# Altium PCB JTAG批量下载板-V1.6-ASCII.PcbDoc (part 13 of 14) (continued)
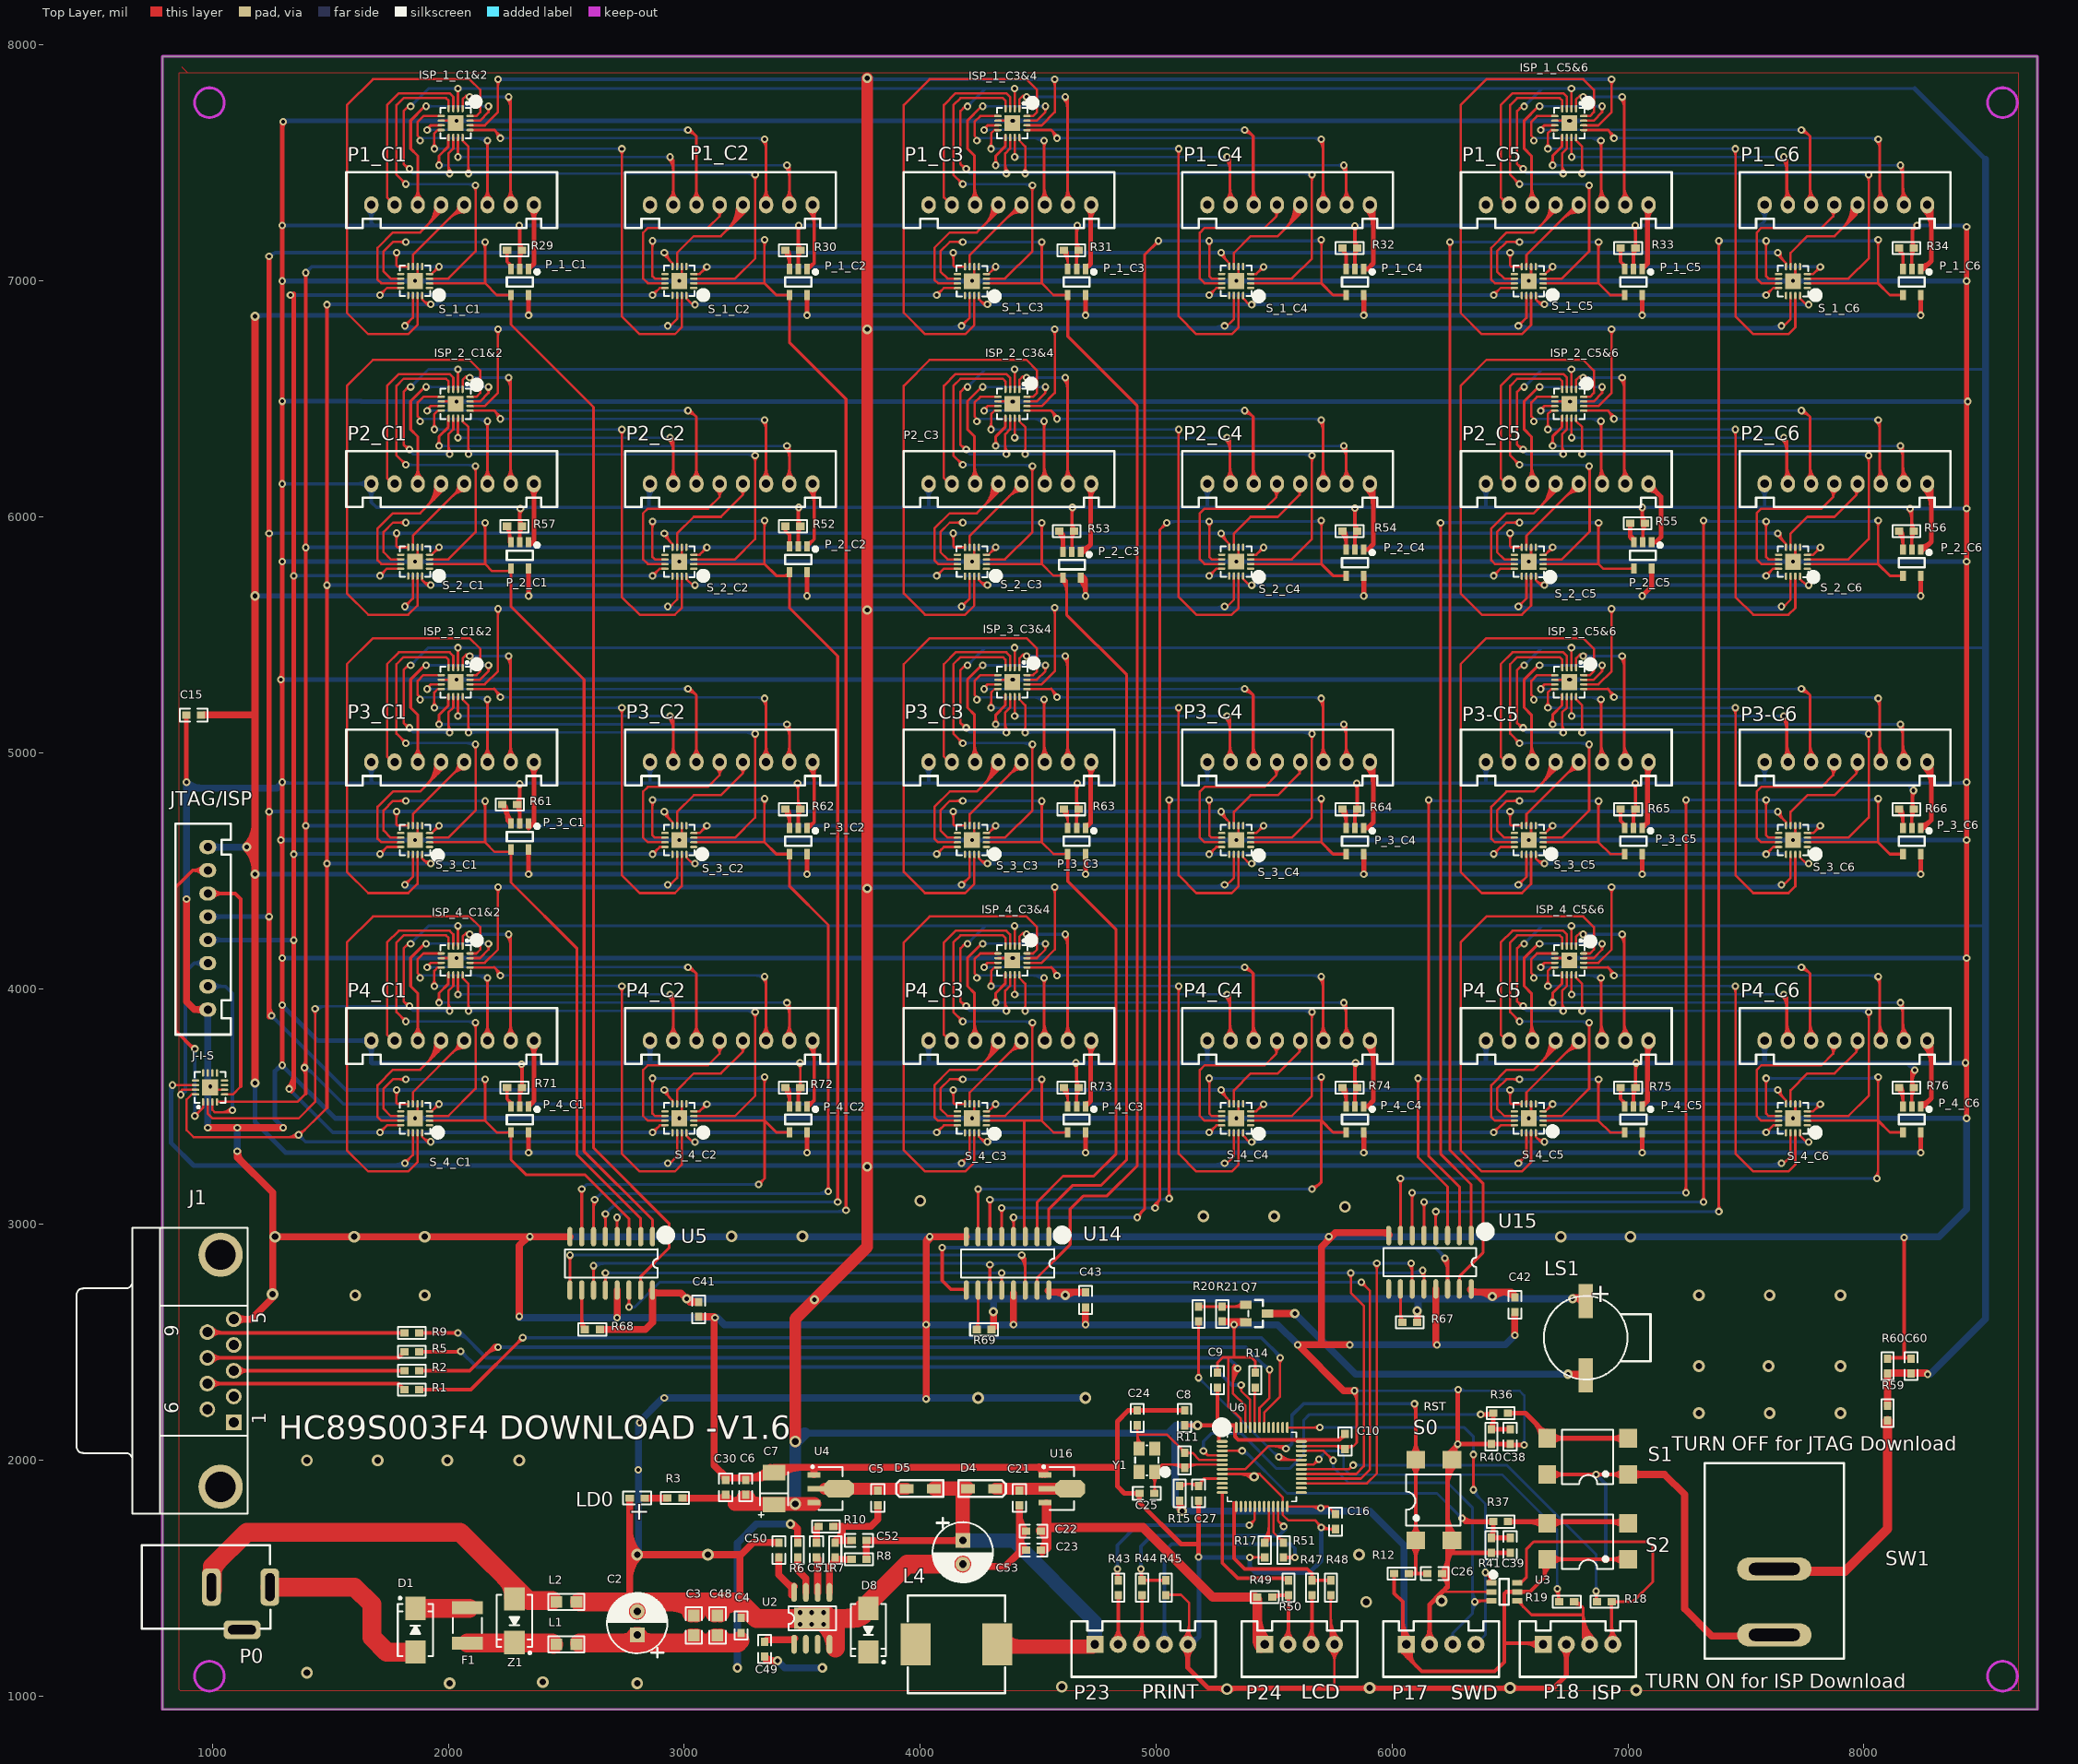
[diagram p0: Top Layer view]
## Nets (pads, with @x,y where several pads share a name; then routed paths per layer and width w, separated by ;. In a path a pad name is that pad's centre, name@x,y a point inside that pad or via, vN(x,y) a via of type N, cw(c..) or ccw(c..) an arc to the next point about the centre after c; other vN are vias at no path point) (continued)
  Bottom Layer w10: v1(6680,7490.55) v1(8155,7490.55) ; v1@6687.78,7482.77 cw(c6706.56,7463.99) 6706.56,7490.55 cw(c6706.56,7517.11) v1@6687.78,7498.33 ; v1@8147.22,7482.77 ccw(c8128.44,7463.99) 8128.44,7490.55 ccw(c8128.44,7517.11) v1@8147.22,7498.33
TDO_1_C6_1: ISP_1_C5&6.8 S_1_C6.15 | length 2246.3
  Top Layer w10: v1@6652.22,7568.33 ccw(c6633.44,7587.11) 6660,7587.11 ccw(c6686.56,7587.11) v1@6667.78,7568.33 ; v1(6660,7560.55) 6660,7625.55 6674.45,7640 ISP_1_C5&6.8@6689.45,7640 ; v1@7447.22,7552.77 cw(c7428.44,7533.99) 7455,7533.99 cw(c7481.56,7533.99) v1@7462.78,7552.77 ; v1(7455,7560.55) 7455,6850.55 7530.55,6775 7680,6775 7708.82,6803.82 S_1_C6.15@7708.82,6939.06
  Bottom Layer w10: v1(6660,7560.55) v1(7455,7560.55) ; v1@6667.78,7552.77 cw(c6686.56,7533.99) 6686.56,7560.55 cw(c6686.56,7587.11) v1@6667.78,7568.33 ; 7428.44,7560.55 cw(c7428.44,7533.99) 7447.22,7552.77 ccw(c7428.44,7533.99) 7428.44,7560.55 ; 7428.44,7560.55 ccw(c7428.44,7587.11) 7447.22,7568.33 cw(c7428.44,7587.11) 7428.44,7560.55
TDO_2_C1: ISP_2_C1&2.1 P2_C1.2 | length 1079.4
  Top Layer w10: ISP_2_C1&2.1@2060,6540.55 2060,6580.55 2075,6595.55 v1@2100,6595.55
  Top Layer w12: P2_C1.2@2246.81,6162.97 ccw(c2205.84,6203.94) 2263.78,6203.94 ccw(c2321.72,6203.94) P2_C1.2@2280.75,6162.97 ; v1(2255,6590) 2263.78,6581.77 P2_C1.2@2263.78,6132.83 ; v1@2247.93,6582.93 cw(c2209.66,6544.66) 2263.78,6544.66 ccw(c2209.66,6544.66) v1@2247.93,6582.93 ; v1@2256.41,6591.41 cw(c2238.63,6573.63) 2263.78,6573.63 ccw(c2238.63,6573.63) v1@2256.41,6591.41
  Bottom Layer w12: v1(2090,6590) v1(2255,6590) ; 2114.14,6590 cw(c2114.14,6614.14) 2097.07,6597.07 ccw(c2114.14,6614.14) 2114.14,6590 ; 2114.14,6590 ccw(c2114.14,6565.86) 2097.07,6582.93 cw(c2114.14,6565.86) 2114.14,6590 ; 2230.86,6590 cw(c2230.86,6565.86) 2247.93,6582.93 ccw(c2230.86,6565.86) 2230.86,6590 ; 2230.86,6590 ccw(c2230.86,6614.14) 2247.93,6597.07 cw(c2230.86,6614.14) 2230.86,6590
TDO_2_C1_1: ISP_2_C1&2.16 S_2_C1.15 | length 2132.5
  Top Layer w10: S_2_C1.15@1868.82,5749.06 1868.82,5623.82 1830,5585 1660,5585 1570,5675 1570,6555.55 1680,6665.55 2090,6665.55 2135,6620.55 2135,6525.55 2118.5,6509.06 ISP_2_C1&2.16@2091.5,6509.06
TDO_2_C2: ISP_2_C1&2.9 P2_C2.2 | length 2106.8
  Top Layer w12: v1(1960,6300.55) 1960,6340.55 2000,6380.55 ISP_2_C1&2.9@2000,6425.55 ; P2_C2.2@3427.91,6162.97 ccw(c3386.94,6203.94) 3444.88,6203.94 ccw(c3502.82,6203.94) P2_C2.2@3461.85,6162.97 ; v1@3427.93,6293.48 cw(c3387,6252.55) 3444.88,6252.55 ; v1(3435,6300.55) 3444.88,6290.67 P2_C2.2@3444.88,6132.83 ; v1@3436.41,6301.97 cw(c3415.97,6281.52) 3444.88,6281.52 ; 1960,6324.69 cw(c1935.86,6324.69) 1952.93,6307.62 ccw(c1935.86,6324.69) 1960,6324.69 ; 1960,6324.69 ccw(c1984.14,6324.69) 1967.07,6307.62 cw(c1984.14,6324.69) 1960,6324.69
  Bottom Layer w10: v1(1960,6300.55) v1(3435,6300.55) ; v1@1967.78,6292.77 cw(c1986.56,6273.99) 1986.56,6300.55 cw(c1986.56,6327.11) v1@1967.78,6308.33 ; v1@3427.22,6292.77 ccw(c3408.44,6273.99) 3408.44,6300.55 ccw(c3408.44,6327.11) v1@3427.22,6308.33
TDO_2_C2_1: ISP_2_C1&2.8 S_2_C2.15 | length 2856.3
  Top Layer w10: v1@1932.22,6378.33 ccw(c1913.44,6397.11) 1940,6397.11 ccw(c1966.56,6397.11) v1@1947.78,6378.33 ; v1(1940,6370.55) 1940,6435.55 1954.45,6450 ISP_2_C1&2.8@1969.45,6450 ; v1@2727.22,6362.77 cw(c2708.44,6343.99) 2735,6343.99 cw(c2761.56,6343.99) v1@2742.78,6362.77 ; 2735,5715 2735,6325 ; v1(2735,6370.55) 2735,5660.55 2810.55,5585 2960,5585 2988.82,5613.82 S_2_C2.15@2988.82,5749.06
  Bottom Layer w10: v1(1940,6370.55) v1(2735,6370.55) ; v1@1947.78,6362.77 cw(c1966.56,6343.99) 1966.56,6370.55 cw(c1966.56,6397.11) v1@1947.78,6378.33 ; 2708.44,6370.55 cw(c2708.44,6343.99) 2727.22,6362.77 ccw(c2708.44,6343.99) 2708.44,6370.55 ; 2708.44,6370.55 ccw(c2708.44,6397.11) 2727.22,6378.33 cw(c2708.44,6397.11) 2708.44,6370.55
TDO_2_C3: ISP_2_C3&4.1 P2_C3.2 | length 1108
  Top Layer w10: ISP_2_C3&4.1@4420,6540.55 4420,6580.55 4435,6595.55 v1@4460,6595.55
  Top Layer w12: P2_C3.2@4609.01,6162.97 ccw(c4573.36,6198.62) 4623.78,6198.62 ; v1(4615,6590) 4623.78,6581.77 P2_C3.2@4623.78,6132.83 ; 4623.78,6180.29 ccw(c4660.28,6180.29) P2_C3.2@4634.47,6154.49 ; 4623.78,6209.26 ccw(c4689.25,6209.26) P2_C3.2@4642.95,6162.97 ; v1@4607.93,6582.93 cw(c4569.66,6544.66) 4623.78,6544.66 ccw(c4569.66,6544.66) v1@4607.93,6582.93 ; v1@4616.41,6591.41 cw(c4598.63,6573.63) 4623.78,6573.63 ccw(c4598.63,6573.63) v1@4616.41,6591.41
  Bottom Layer w12: v1(4450,6590) v1(4615,6590) ; 4474.14,6590 cw(c4474.14,6614.14) 4457.07,6597.07 ccw(c4474.14,6614.14) 4474.14,6590 ; 4474.14,6590 ccw(c4474.14,6565.86) 4457.07,6582.93 cw(c4474.14,6565.86) 4474.14,6590 ; 4590.86,6590 cw(c4590.86,6565.86) 4607.93,6582.93 ccw(c4590.86,6565.86) 4590.86,6590 ; 4590.86,6590 ccw(c4590.86,6614.14) 4607.93,6597.07 cw(c4590.86,6614.14) 4590.86,6590
TDO_2_C3_1: ISP_2_C3&4.16 S_2_C3.15 | length 2132.5
  Top Layer w10: S_2_C3.15@4228.82,5749.06 4228.82,5623.82 4190,5585 4020,5585 3930,5675 3930,6555.55 4040,6665.55 4450,6665.55 4495,6620.55 4495,6525.55 4478.5,6509.06 ISP_2_C3&4.16@4451.5,6509.06
TDO_2_C4: ISP_2_C3&4.9 P2_C4.2 | length 2135.5
  Top Layer w12: v1(4320,6300.55) 4320,6340.55 4360,6380.55 ISP_2_C3&4.9@4360,6425.55 ; v1@5787.93,6293.48 cw(c5747,6252.55) 5804.88,6252.55 ; P2_C4.2@5790.12,6162.97 ccw(c5754.47,6198.62) 5804.88,6198.62 ; v1(5795,6300.55) 5804.88,6290.67 P2_C4.2@5804.88,6132.83 ; v1@5796.41,6301.97 cw(c5775.97,6281.52) 5804.88,6281.52 ; 5804.88,6180.29 ccw(c5841.38,6180.29) P2_C4.2@5815.57,6154.49 ; 5804.88,6209.26 ccw(c5870.35,6209.26) P2_C4.2@5824.06,6162.97 ; 4320,6324.69 cw(c4295.86,6324.69) 4312.93,6307.62 ccw(c4295.86,6324.69) 4320,6324.69 ; 4320,6324.69 ccw(c4344.14,6324.69) 4327.07,6307.62 cw(c4344.14,6324.69) 4320,6324.69
  Bottom Layer w10: v1(4320,6300.55) v1(5795,6300.55) ; v1@4327.78,6292.77 cw(c4346.56,6273.99) 4346.56,6300.55 cw(c4346.56,6327.11) v1@4327.78,6308.33 ; v1@5787.22,6292.77 ccw(c5768.44,6273.99) 5768.44,6300.55 ccw(c5768.44,6327.11) v1@5787.22,6308.33
TDO_2_C4_1: ISP_2_C3&4.8 S_2_C4.15 | length 2246.3
  Top Layer w10: v1@4292.22,6378.33 ccw(c4273.44,6397.11) 4300,6397.11 ccw(c4326.56,6397.11) v1@4307.78,6378.33 ; v1(4300,6370.55) 4300,6435.55 4314.45,6450 ISP_2_C3&4.8@4329.45,6450 ; v1@5087.22,6362.77 cw(c5068.44,6343.99) 5095,6343.99 cw(c5121.56,6343.99) v1@5102.78,6362.77 ; v1(5095,6370.55) 5095,5660.55 5170.55,5585 5320,5585 5348.82,5613.82 S_2_C4.15@5348.82,5749.06
  Bottom Layer w10: v1(4300,6370.55) v1(5095,6370.55) ; v1@4307.78,6362.77 cw(c4326.56,6343.99) 4326.56,6370.55 cw(c4326.56,6397.11) v1@4307.78,6378.33 ; 5068.44,6370.55 cw(c5068.44,6343.99) 5087.22,6362.77 ccw(c5068.44,6343.99) 5068.44,6370.55 ; 5068.44,6370.55 ccw(c5068.44,6397.11) 5087.22,6378.33 cw(c5068.44,6397.11) 5068.44,6370.55
TDO_2_C5: ISP_2_C5&6.1 P2_C5.2 | length 1114
  Top Layer w10: ISP_2_C5&6.1@6780,6540.55 6780,6580.55 6795,6595.55 v1@6820,6595.55
  Top Layer w12: P2_C5.2@6971.22,6162.97 ccw(c6940.89,6193.3) 6983.78,6193.3 ; v1(6975,6590) 6983.78,6581.77 P2_C5.2@6983.78,6132.83 ; 6983.78,6185.62 ccw(c7027.8,6185.62) P2_C5.2@6996.67,6154.49 ; 6983.78,6214.59 ccw(c7056.77,6214.59) P2_C5.2@7005.16,6162.97 ; v1@6967.93,6582.93 cw(c6929.66,6544.66) 6983.78,6544.66 ccw(c6929.66,6544.66) v1@6967.93,6582.93 ; v1@6976.41,6591.41 cw(c6958.63,6573.63) 6983.78,6573.63 ccw(c6958.63,6573.63) v1@6976.41,6591.41
  Bottom Layer w12: v1(6810,6590) v1(6975,6590) ; 6834.14,6590 cw(c6834.14,6614.14) 6817.07,6597.07 ccw(c6834.14,6614.14) 6834.14,6590 ; 6834.14,6590 ccw(c6834.14,6565.86) 6817.07,6582.93 cw(c6834.14,6565.86) 6834.14,6590 ; 6950.86,6590 cw(c6950.86,6565.86) 6967.93,6582.93 ccw(c6950.86,6565.86) 6950.86,6590 ; 6950.86,6590 ccw(c6950.86,6614.14) 6967.93,6597.07 cw(c6950.86,6614.14) 6950.86,6590
TDO_2_C5_1: ISP_2_C5&6.16 S_2_C5.15 | length 2132.5
  Top Layer w10: S_2_C5.15@6588.82,5749.06 6588.82,5623.82 6550,5585 6380,5585 6290,5675 6290,6555.55 6400,6665.55 6810,6665.55 6855,6620.55 6855,6525.55 6838.5,6509.06 ISP_2_C5&6.16@6811.5,6509.06
TDO_2_C6: ISP_2_C5&6.9 P2_C6.2 | length 2141.4
  Top Layer w12: v1(6680,6300.55) 6680,6340.55 6720,6380.55 ISP_2_C5&6.9@6720,6425.55 ; v1@8147.93,6293.48 cw(c8107,6252.55) 8164.88,6252.55 ; P2_C6.2@8152.32,6162.97 ccw(c8121.99,6193.3) 8164.88,6193.3 ; v1(8155,6300.55) 8164.88,6290.67 P2_C6.2@8164.88,6132.83 ; v1@8156.41,6301.97 cw(c8135.97,6281.52) 8164.88,6281.52 ; 8164.88,6185.62 ccw(c8208.91,6185.62) P2_C6.2@8177.78,6154.49 ; 8164.88,6214.59 ccw(c8237.88,6214.59) P2_C6.2@8186.26,6162.97 ; 6680,6324.69 cw(c6655.86,6324.69) 6672.93,6307.62 ccw(c6655.86,6324.69) 6680,6324.69 ; 6680,6324.69 ccw(c6704.14,6324.69) 6687.07,6307.62 cw(c6704.14,6324.69) 6680,6324.69
  Bottom Layer w10: v1(6680,6300.55) v1(8155,6300.55) ; v1@6687.78,6292.77 cw(c6706.56,6273.99) 6706.56,6300.55 cw(c6706.56,6327.11) v1@6687.78,6308.33 ; v1@8147.22,6292.77 ccw(c8128.44,6273.99) 8128.44,6300.55 ccw(c8128.44,6327.11) v1@8147.22,6308.33
TDO_2_C6_1: ISP_2_C5&6.8 S_2_C6.15 | length 2246.3
  Top Layer w10: v1@6652.22,6378.33 ccw(c6633.44,6397.11) 6660,6397.11 ccw(c6686.56,6397.11) v1@6667.78,6378.33 ; v1(6660,6370.55) 6660,6435.55 6674.45,6450 ISP_2_C5&6.8@6689.45,6450 ; v1@7447.22,6362.77 cw(c7428.44,6343.99) 7455,6343.99 cw(c7481.56,6343.99) v1@7462.78,6362.77 ; v1(7455,6370.55) 7455,5660.55 7530.55,5585 7680,5585 7708.82,5613.82 S_2_C6.15@7708.82,5749.06
  Bottom Layer w10: v1(6660,6370.55) v1(7455,6370.55) ; v1@6667.78,6362.77 cw(c6686.56,6343.99) 6686.56,6370.55 cw(c6686.56,6397.11) v1@6667.78,6378.33 ; 7428.44,6370.55 cw(c7428.44,6343.99) 7447.22,6362.77 ccw(c7428.44,6343.99) 7428.44,6370.55 ; 7428.44,6370.55 ccw(c7428.44,6397.11) 7447.22,6378.33 cw(c7428.44,6397.11) 7428.44,6370.55
TDO_3_C1: ISP_3_C1&2.1 P3_C1.2 | length 1079.4
  Top Layer w10: ISP_3_C1&2.1@2060,5360.55 2060,5400.55 2075,5415.55 v1@2100,5415.55
  Top Layer w12: P3_C1.2@2246.81,4983.6 ccw(c2205.84,5024.57) 2263.78,5024.57 ccw(c2321.72,5024.57) P3_C1.2@2280.75,4983.6 ; v1(2255,5410) 2263.78,5401.77 P3_C1.2@2263.78,4952.83 ; v1@2247.93,5402.93 cw(c2209.66,5364.66) 2263.78,5364.66 ccw(c2209.66,5364.66) v1@2247.93,5402.93 ; v1@2256.41,5411.41 cw(c2238.63,5393.63) 2263.78,5393.63 ccw(c2238.63,5393.63) v1@2256.41,5411.41
  Bottom Layer w12: v1(2090,5410) v1(2255,5410) ; 2114.14,5410 cw(c2114.14,5434.14) 2097.07,5417.07 ccw(c2114.14,5434.14) 2114.14,5410 ; 2114.14,5410 ccw(c2114.14,5385.86) 2097.07,5402.93 cw(c2114.14,5385.86) 2114.14,5410 ; 2230.86,5410 cw(c2230.86,5385.86) 2247.93,5402.93 ccw(c2230.86,5385.86) 2230.86,5410 ; 2230.86,5410 ccw(c2230.86,5434.14) 2247.93,5417.07 cw(c2230.86,5434.14) 2230.86,5410
TDO_3_C1_1: ISP_3_C1&2.16 S_3_C1.15 | length 2132.5
  Top Layer w10: S_3_C1.15@1868.82,4569.06 1868.82,4443.82 1830,4405 1660,4405 1570,4495 1570,5375.55 1680,5485.55 2090,5485.55 2135,5440.55 2135,5345.55 2118.5,5329.06 ISP_3_C1&2.16@2091.5,5329.06
TDO_3_C2: ISP_3_C1&2.9 P3_C2.2 | length 2106.8
  Top Layer w12: v1(1960,5120.55) 1960,5160.55 2000,5200.55 ISP_3_C1&2.9@2000,5245.55 ; P3_C2.2@3427.91,4983.6 ccw(c3386.94,5024.57) 3444.88,5024.57 ccw(c3502.82,5024.57) P3_C2.2@3461.85,4983.6 ; v1@3427.93,5113.48 cw(c3387,5072.55) 3444.88,5072.55 ; v1(3435,5120.55) 3444.88,5110.67 P3_C2.2@3444.88,4952.83 ; v1@3436.41,5121.97 cw(c3415.97,5101.52) 3444.88,5101.52 ; 1960,5144.69 cw(c1935.86,5144.69) 1952.93,5127.62 ccw(c1935.86,5144.69) 1960,5144.69 ; 1960,5144.69 ccw(c1984.14,5144.69) 1967.07,5127.62 cw(c1984.14,5144.69) 1960,5144.69
  Bottom Layer w10: v1(1960,5120.55) v1(3435,5120.55) ; v1@1967.78,5112.77 cw(c1986.56,5093.99) 1986.56,5120.55 cw(c1986.56,5147.11) v1@1967.78,5128.33 ; v1@3427.22,5112.77 ccw(c3408.44,5093.99) 3408.44,5120.55 ccw(c3408.44,5147.11) v1@3427.22,5128.33
TDO_3_C2_1: ISP_3_C1&2.8 S_3_C2.15 | length 2246.3
  Top Layer w10: v1@1932.22,5198.33 ccw(c1913.44,5217.11) 1940,5217.11 ccw(c1966.56,5217.11) v1@1947.78,5198.33 ; v1(1940,5190.55) 1940,5255.55 1954.45,5270 ISP_3_C1&2.8@1969.45,5270 ; v1@2727.22,5182.77 cw(c2708.44,5163.99) 2735,5163.99 cw(c2761.56,5163.99) v1@2742.78,5182.77 ; v1(2735,5190.55) 2735,4480.55 2810.55,4405 2960,4405 2988.82,4433.82 S_3_C2.15@2988.82,4569.06
  Bottom Layer w10: v1(1940,5190.55) v1(2735,5190.55) ; v1@1947.78,5182.77 cw(c1966.56,5163.99) 1966.56,5190.55 cw(c1966.56,5217.11) v1@1947.78,5198.33 ; 2708.44,5190.55 cw(c2708.44,5163.99) 2727.22,5182.77 ccw(c2708.44,5163.99) 2708.44,5190.55 ; 2708.44,5190.55 ccw(c2708.44,5217.11) 2727.22,5198.33 cw(c2708.44,5217.11) 2708.44,5190.55
TDO_3_C3: ISP_3_C3&4.1 P3_C3.2 | length 1108
  Top Layer w10: ISP_3_C3&4.1@4420,5360.55 4420,5400.55 4435,5415.55 v1@4460,5415.55
  Top Layer w12: P3_C3.2@4609.01,4983.6 ccw(c4573.36,5019.25) 4623.78,5019.25 ; v1(4615,5410) 4623.78,5401.77 P3_C3.2@4623.78,4952.83 ; 4623.78,5000.92 ccw(c4660.28,5000.92) P3_C3.2@4634.47,4975.12 ; 4623.78,5029.89 ccw(c4689.25,5029.89) P3_C3.2@4642.95,4983.6 ; v1@4607.93,5402.93 cw(c4569.66,5364.66) 4623.78,5364.66 ccw(c4569.66,5364.66) v1@4607.93,5402.93 ; v1@4616.41,5411.41 cw(c4598.63,5393.63) 4623.78,5393.63 ccw(c4598.63,5393.63) v1@4616.41,5411.41
  Bottom Layer w12: v1(4450,5410) v1(4615,5410) ; 4474.14,5410 cw(c4474.14,5434.14) 4457.07,5417.07 ccw(c4474.14,5434.14) 4474.14,5410 ; 4474.14,5410 ccw(c4474.14,5385.86) 4457.07,5402.93 cw(c4474.14,5385.86) 4474.14,5410 ; 4590.86,5410 cw(c4590.86,5385.86) 4607.93,5402.93 ccw(c4590.86,5385.86) 4590.86,5410 ; 4590.86,5410 ccw(c4590.86,5434.14) 4607.93,5417.07 cw(c4590.86,5434.14) 4590.86,5410
TDO_3_C3_1: ISP_3_C3&4.16 S_3_C3.15 | length 2132.5
  Top Layer w10: S_3_C3.15@4228.82,4569.06 4228.82,4443.82 4190,4405 4020,4405 3930,4495 3930,5375.55 4040,5485.55 4450,5485.55 4495,5440.55 4495,5345.55 4478.5,5329.06 ISP_3_C3&4.16@4451.5,5329.06
TDO_3_C4: ISP_3_C3&4.9 P3_C4.2 | length 2135.5
  Top Layer w12: v1(4320,5120.55) 4320,5160.55 4360,5200.55 ISP_3_C3&4.9@4360,5245.55 ; v1@5787.93,5113.48 cw(c5747,5072.55) 5804.88,5072.55 ; P3_C4.2@5790.12,4983.6 ccw(c5754.47,5019.25) 5804.88,5019.25 ; v1(5795,5120.55) 5804.88,5110.67 P3_C4.2@5804.88,4952.83 ; v1@5796.41,5121.97 cw(c5775.97,5101.52) 5804.88,5101.52 ; 5804.88,5000.92 ccw(c5841.38,5000.92) P3_C4.2@5815.57,4975.12 ; 5804.88,5029.89 ccw(c5870.35,5029.89) P3_C4.2@5824.06,4983.6 ; 4320,5144.69 cw(c4295.86,5144.69) 4312.93,5127.62 ccw(c4295.86,5144.69) 4320,5144.69 ; 4320,5144.69 ccw(c4344.14,5144.69) 4327.07,5127.62 cw(c4344.14,5144.69) 4320,5144.69
  Bottom Layer w10: v1(4320,5120.55) v1(5795,5120.55) ; v1@4327.78,5112.77 cw(c4346.56,5093.99) 4346.56,5120.55 cw(c4346.56,5147.11) v1@4327.78,5128.33 ; v1@5787.22,5112.77 ccw(c5768.44,5093.99) 5768.44,5120.55 ccw(c5768.44,5147.11) v1@5787.22,5128.33
TDO_3_C4_1: ISP_3_C3&4.8 S_3_C4.15 | length 2246.3
  Top Layer w10: v1@4292.22,5198.33 ccw(c4273.44,5217.11) 4300,5217.11 ccw(c4326.56,5217.11) v1@4307.78,5198.33 ; v1(4300,5190.55) 4300,5255.55 4314.45,5270 ISP_3_C3&4.8@4329.45,5270 ; v1@5087.22,5182.77 cw(c5068.44,5163.99) 5095,5163.99 cw(c5121.56,5163.99) v1@5102.78,5182.77 ; v1(5095,5190.55) 5095,4480.55 5170.55,4405 5320,4405 5348.82,4433.82 S_3_C4.15@5348.82,4569.06
  Bottom Layer w10: v1(4300,5190.55) v1(5095,5190.55) ; v1@4307.78,5182.77 cw(c4326.56,5163.99) 4326.56,5190.55 cw(c4326.56,5217.11) v1@4307.78,5198.33 ; 5068.44,5190.55 cw(c5068.44,5163.99) 5087.22,5182.77 ccw(c5068.44,5163.99) 5068.44,5190.55 ; 5068.44,5190.55 ccw(c5068.44,5217.11) 5087.22,5198.33 cw(c5068.44,5217.11) 5068.44,5190.55
TDO_3_C5: ISP_3_C5&6.1 P3-C5.2 | length 1114
  Top Layer w10: ISP_3_C5&6.1@6780,5360.55 6780,5400.55 6795,5415.55 v1@6820,5415.55
  Top Layer w12: P3-C5.2@6971.22,4983.6 ccw(c6940.89,5013.93) 6983.78,5013.93 ; v1(6975,5410) 6983.78,5401.77 P3-C5.2@6983.78,4952.83 ; 6983.78,5006.25 ccw(c7027.8,5006.25) P3-C5.2@6996.67,4975.12 ; 6983.78,5035.22 ccw(c7056.77,5035.22) P3-C5.2@7005.16,4983.6 ; v1@6967.93,5402.93 cw(c6929.66,5364.66) 6983.78,5364.66 ccw(c6929.66,5364.66) v1@6967.93,5402.93 ; v1@6976.41,5411.41 cw(c6958.63,5393.63) 6983.78,5393.63 ccw(c6958.63,5393.63) v1@6976.41,5411.41
  Bottom Layer w12: v1(6810,5410) v1(6975,5410) ; 6834.14,5410 cw(c6834.14,5434.14) 6817.07,5417.07 ccw(c6834.14,5434.14) 6834.14,5410 ; 6834.14,5410 ccw(c6834.14,5385.86) 6817.07,5402.93 cw(c6834.14,5385.86) 6834.14,5410 ; 6950.86,5410 cw(c6950.86,5385.86) 6967.93,5402.93 ccw(c6950.86,5385.86) 6950.86,5410 ; 6950.86,5410 ccw(c6950.86,5434.14) 6967.93,5417.07 cw(c6950.86,5434.14) 6950.86,5410
TDO_3_C5_1: ISP_3_C5&6.16 S_3_C5.15 | length 2132.5
  Top Layer w10: S_3_C5.15@6588.82,4569.06 6588.82,4443.82 6550,4405 6380,4405 6290,4495 6290,5375.55 6400,5485.55 6810,5485.55 6855,5440.55 6855,5345.55 6838.5,5329.06 ISP_3_C5&6.16@6811.5,5329.06
TDO_3_C6: ISP_3_C5&6.9 P3-C6.2 | length 2141.4
  Top Layer w12: v1(6680,5120.55) 6680,5160.55 6720,5200.55 ISP_3_C5&6.9@6720,5245.55 ; v1@8147.93,5113.48 cw(c8107,5072.55) 8164.88,5072.55 ; P3-C6.2@8152.32,4983.6 ccw(c8121.99,5013.93) 8164.88,5013.93 ; v1(8155,5120.55) 8164.88,5110.67 P3-C6.2@8164.88,4952.83 ; v1@8156.41,5121.97 cw(c8135.97,5101.52) 8164.88,5101.52 ; 8164.88,5006.25 ccw(c8208.91,5006.25) P3-C6.2@8177.78,4975.12 ; 8164.88,5035.22 ccw(c8237.88,5035.22) P3-C6.2@8186.26,4983.6 ; 6680,5144.69 cw(c6655.86,5144.69) 6672.93,5127.62 ccw(c6655.86,5144.69) 6680,5144.69 ; 6680,5144.69 ccw(c6704.14,5144.69) 6687.07,5127.62 cw(c6704.14,5144.69) 6680,5144.69
  Bottom Layer w10: v1(6680,5120.55) v1(8155,5120.55) ; v1@6687.78,5112.77 cw(c6706.56,5093.99) 6706.56,5120.55 cw(c6706.56,5147.11) v1@6687.78,5128.33 ; v1@8147.22,5112.77 ccw(c8128.44,5093.99) 8128.44,5120.55 ccw(c8128.44,5147.11) v1@8147.22,5128.33
TDO_3_C6_1: ISP_3_C5&6.8 S_3_C6.15 | length 2246.3
  Top Layer w10: v1@6652.22,5198.33 ccw(c6633.44,5217.11) 6660,5217.11 ccw(c6686.56,5217.11) v1@6667.78,5198.33 ; v1(6660,5190.55) 6660,5255.55 6674.45,5270 ISP_3_C5&6.8@6689.45,5270 ; v1@7447.22,5182.77 cw(c7428.44,5163.99) 7455,5163.99 cw(c7481.56,5163.99) v1@7462.78,5182.77 ; v1(7455,5190.55) 7455,4480.55 7530.55,4405 7680,4405 7708.82,4433.82 S_3_C6.15@7708.82,4569.06
  Bottom Layer w10: v1(6660,5190.55) v1(7455,5190.55) ; v1@6667.78,5182.77 cw(c6686.56,5163.99) 6686.56,5190.55 cw(c6686.56,5217.11) v1@6667.78,5198.33 ; 7428.44,5190.55 cw(c7428.44,5163.99) 7447.22,5182.77 ccw(c7428.44,5163.99) 7428.44,5190.55 ; 7428.44,5190.55 ccw(c7428.44,5217.11) 7447.22,5198.33 cw(c7428.44,5217.11) 7428.44,5190.55
TDO_4_C1: ISP_4_C1&2.1 P4_C1.2 | length 1079.4
  Top Layer w10: ISP_4_C1&2.1@2060,4180.55 2060,4220.55 2075,4235.55 v1@2100,4235.55
  Top Layer w12: P4_C1.2@2246.81,3802.5 ccw(c2205.84,3843.47) 2263.78,3843.47 ccw(c2321.72,3843.47) P4_C1.2@2280.75,3802.5 ; v1(2255,4230) 2263.78,4221.77 P4_C1.2@2263.78,3772.83 ; v1@2247.93,4222.93 cw(c2209.66,4184.66) 2263.78,4184.66 ccw(c2209.66,4184.66) v1@2247.93,4222.93 ; v1@2256.41,4231.41 cw(c2238.63,4213.63) 2263.78,4213.63 ccw(c2238.63,4213.63) v1@2256.41,4231.41
  Bottom Layer w12: v1(2090,4230) v1(2255,4230) ; 2114.14,4230 cw(c2114.14,4254.14) 2097.07,4237.07 ccw(c2114.14,4254.14) 2114.14,4230 ; 2114.14,4230 ccw(c2114.14,4205.86) 2097.07,4222.93 cw(c2114.14,4205.86) 2114.14,4230 ; 2230.86,4230 cw(c2230.86,4205.86) 2247.93,4222.93 ccw(c2230.86,4205.86) 2230.86,4230 ; 2230.86,4230 ccw(c2230.86,4254.14) 2247.93,4237.07 cw(c2230.86,4254.14) 2230.86,4230
TDO_4_C1_1: ISP_4_C1&2.16 S_4_C1.15 | length 2132.5
  Top Layer w10: S_4_C1.15@1868.82,3389.06 1868.82,3263.82 1830,3225 1660,3225 1570,3315 1570,4195.55 1680,4305.55 2090,4305.55 2135,4260.55 2135,4165.55 2118.5,4149.06 ISP_4_C1&2.16@2091.5,4149.06
TDO_4_C2: ISP_4_C1&2.9 P4_C2.2 | length 2106.8
  Top Layer w12: v1(1960,3940.55) 1960,3980.55 2000,4020.55 ISP_4_C1&2.9@2000,4065.55 ; P4_C2.2@3427.91,3802.5 ccw(c3386.94,3843.47) 3444.88,3843.47 ccw(c3502.82,3843.47) P4_C2.2@3461.85,3802.5 ; v1@3427.93,3933.48 cw(c3387,3892.55) 3444.88,3892.55 ; v1(3435,3940.55) 3444.88,3930.67 P4_C2.2@3444.88,3772.83 ; v1@3436.41,3941.97 cw(c3415.97,3921.52) 3444.88,3921.52 ; 1960,3964.69 cw(c1935.86,3964.69) 1952.93,3947.62 ccw(c1935.86,3964.69) 1960,3964.69 ; 1960,3964.69 ccw(c1984.14,3964.69) 1967.07,3947.62 cw(c1984.14,3964.69) 1960,3964.69
  Bottom Layer w10: v1(1960,3940.55) v1(3435,3940.55) ; v1@1967.78,3932.77 cw(c1986.56,3913.99) 1986.56,3940.55 cw(c1986.56,3967.11) v1@1967.78,3948.33 ; v1@3427.22,3932.77 ccw(c3408.44,3913.99) 3408.44,3940.55 ccw(c3408.44,3967.11) v1@3427.22,3948.33
TDO_4_C2_1: ISP_4_C1&2.8 S_4_C2.15 | length 2246.3
  Top Layer w10: v1@1932.22,4018.33 ccw(c1913.44,4037.11) 1940,4037.11 ccw(c1966.56,4037.11) v1@1947.78,4018.33 ; v1(1940,4010.55) 1940,4075.55 1954.45,4090 ISP_4_C1&2.8@1969.45,4090 ; v1@2727.22,4002.77 cw(c2708.44,3983.99) 2735,3983.99 cw(c2761.56,3983.99) v1@2742.78,4002.77 ; v1(2735,4010.55) 2735,3300.55 2810.55,3225 2960,3225 2988.82,3253.82 S_4_C2.15@2988.82,3389.06
  Bottom Layer w10: v1(1940,4010.55) v1(2735,4010.55) ; v1@1947.78,4002.77 cw(c1966.56,3983.99) 1966.56,4010.55 cw(c1966.56,4037.11) v1@1947.78,4018.33 ; 2708.44,4010.55 cw(c2708.44,3983.99) 2727.22,4002.77 ccw(c2708.44,3983.99) 2708.44,4010.55 ; 2708.44,4010.55 ccw(c2708.44,4037.11) 2727.22,4018.33 cw(c2708.44,4037.11) 2708.44,4010.55
TDO_4_C3: ISP_4_C3&4.1 P4_C3.2 | length 1108
  Top Layer w10: ISP_4_C3&4.1@4420,4180.55 4420,4220.55 4435,4235.55 v1@4460,4235.55
  Top Layer w12: P4_C3.2@4609.01,3802.5 ccw(c4573.36,3838.15) 4623.78,3838.15 ; v1(4615,4230) 4623.78,4221.77 P4_C3.2@4623.78,3772.83 ; 4623.78,3819.82 ccw(c4660.28,3819.82) P4_C3.2@4634.47,3794.01 ; 4623.78,3848.79 ccw(c4689.25,3848.79) P4_C3.2@4642.95,3802.5 ; v1@4607.93,4222.93 cw(c4569.66,4184.66) 4623.78,4184.66 ccw(c4569.66,4184.66) v1@4607.93,4222.93 ; v1@4616.41,4231.41 cw(c4598.63,4213.63) 4623.78,4213.63 ccw(c4598.63,4213.63) v1@4616.41,4231.41
  Bottom Layer w12: v1(4450,4230) v1(4615,4230) ; 4474.14,4230 cw(c4474.14,4254.14) 4457.07,4237.07 ccw(c4474.14,4254.14) 4474.14,4230 ; 4474.14,4230 ccw(c4474.14,4205.86) 4457.07,4222.93 cw(c4474.14,4205.86) 4474.14,4230 ; 4590.86,4230 cw(c4590.86,4205.86) 4607.93,4222.93 ccw(c4590.86,4205.86) 4590.86,4230 ; 4590.86,4230 ccw(c4590.86,4254.14) 4607.93,4237.07 cw(c4590.86,4254.14) 4590.86,4230
TDO_4_C3_1: ISP_4_C3&4.16 S_4_C3.15 | length 2132.5
  Top Layer w10: S_4_C3.15@4228.82,3389.06 4228.82,3263.82 4190,3225 4020,3225 3930,3315 3930,4195.55 4040,4305.55 4450,4305.55 4495,4260.55 4495,4165.55 4478.5,4149.06 ISP_4_C3&4.16@4451.5,4149.06
TDO_4_C4: ISP_4_C3&4.9 P4_C4.2 | length 2135.5
  Top Layer w12: v1(4320,3940.55) 4320,3980.55 4360,4020.55 ISP_4_C3&4.9@4360,4065.55 ; v1@5787.93,3933.48 cw(c5747,3892.55) 5804.88,3892.55 ; P4_C4.2@5790.12,3802.5 ccw(c5754.47,3838.15) 5804.88,3838.15 ; v1(5795,3940.55) 5804.88,3930.67 P4_C4.2@5804.88,3772.83 ; v1@5796.41,3941.97 cw(c5775.97,3921.52) 5804.88,3921.52 ; 5804.88,3819.82 ccw(c5841.38,3819.82) P4_C4.2@5815.57,3794.01 ; 5804.88,3848.79 ccw(c5870.35,3848.79) P4_C4.2@5824.06,3802.5 ; 4320,3964.69 cw(c4295.86,3964.69) 4312.93,3947.62 ccw(c4295.86,3964.69) 4320,3964.69 ; 4320,3964.69 ccw(c4344.14,3964.69) 4327.07,3947.62 cw(c4344.14,3964.69) 4320,3964.69
  Bottom Layer w10: v1(4320,3940.55) v1(5795,3940.55) ; v1@4327.78,3932.77 cw(c4346.56,3913.99) 4346.56,3940.55 cw(c4346.56,3967.11) v1@4327.78,3948.33 ; v1@5787.22,3932.77 ccw(c5768.44,3913.99) 5768.44,3940.55 ccw(c5768.44,3967.11) v1@5787.22,3948.33
TDO_4_C4_1: ISP_4_C3&4.8 S_4_C4.15 | length 2246.3
  Top Layer w10: v1@4292.22,4018.33 ccw(c4273.44,4037.11) 4300,4037.11 ccw(c4326.56,4037.11) v1@4307.78,4018.33 ; v1(4300,4010.55) 4300,4075.55 4314.45,4090 ISP_4_C3&4.8@4329.45,4090 ; v1@5087.22,4002.77 cw(c5068.44,3983.99) 5095,3983.99 cw(c5121.56,3983.99) v1@5102.78,4002.77 ; v1(5095,4010.55) 5095,3300.55 5170.55,3225 5320,3225 5348.82,3253.82 S_4_C4.15@5348.82,3389.06
  Bottom Layer w10: v1(4300,4010.55) v1(5095,4010.55) ; v1@4307.78,4002.77 cw(c4326.56,3983.99) 4326.56,4010.55 cw(c4326.56,4037.11) v1@4307.78,4018.33 ; 5068.44,4010.55 cw(c5068.44,3983.99) 5087.22,4002.77 ccw(c5068.44,3983.99) 5068.44,4010.55 ; 5068.44,4010.55 ccw(c5068.44,4037.11) 5087.22,4018.33 cw(c5068.44,4037.11) 5068.44,4010.55
TDO_4_C5: ISP_4_C5&6.1 P4_C5.2 | length 1114
  Top Layer w10: ISP_4_C5&6.1@6780,4180.55 6780,4220.55 6795,4235.55 v1@6820,4235.55
  Top Layer w12: P4_C5.2@6971.22,3802.5 ccw(c6940.89,3832.82) 6983.78,3832.82 ; v1(6975,4230) 6983.78,4221.77 P4_C5.2@6983.78,3772.83 ; 6983.78,3825.14 ccw(c7027.8,3825.14) P4_C5.2@6996.67,3794.01 ; 6983.78,3854.11 ccw(c7056.77,3854.11) P4_C5.2@7005.16,3802.5 ; v1@6967.93,4222.93 cw(c6929.66,4184.66) 6983.78,4184.66 ccw(c6929.66,4184.66) v1@6967.93,4222.93 ; v1@6976.41,4231.41 cw(c6958.63,4213.63) 6983.78,4213.63 ccw(c6958.63,4213.63) v1@6976.41,4231.41
  Bottom Layer w12: v1(6810,4230) v1(6975,4230) ; 6834.14,4230 cw(c6834.14,4254.14) 6817.07,4237.07 ccw(c6834.14,4254.14) 6834.14,4230 ; 6834.14,4230 ccw(c6834.14,4205.86) 6817.07,4222.93 cw(c6834.14,4205.86) 6834.14,4230 ; 6950.86,4230 cw(c6950.86,4205.86) 6967.93,4222.93 ccw(c6950.86,4205.86) 6950.86,4230 ; 6950.86,4230 ccw(c6950.86,4254.14) 6967.93,4237.07 cw(c6950.86,4254.14) 6950.86,4230
TDO_4_C5_1: ISP_4_C5&6.16 S_4_C5.15 | length 2132.5
  Top Layer w10: S_4_C5.15@6588.82,3389.06 6588.82,3263.82 6550,3225 6380,3225 6290,3315 6290,4195.55 6400,4305.55 6810,4305.55 6855,4260.55 6855,4165.55 6838.5,4149.06 ISP_4_C5&6.16@6811.5,4149.06
TDO_4_C6: ISP_4_C5&6.9 P4_C6.2 | length 2141.4
  Top Layer w12: v1(6680,3940.55) 6680,3980.55 6720,4020.55 ISP_4_C5&6.9@6720,4065.55 ; v1@8147.93,3933.48 cw(c8107,3892.55) 8164.88,3892.55 ; P4_C6.2@8152.32,3802.5 ccw(c8121.99,3832.82) 8164.88,3832.82 ; v1(8155,3940.55) 8164.88,3930.67 P4_C6.2@8164.88,3772.83 ; v1@8156.41,3941.97 cw(c8135.97,3921.52) 8164.88,3921.52 ; 8164.88,3825.14 ccw(c8208.91,3825.14) P4_C6.2@8177.78,3794.01 ; 8164.88,3854.11 ccw(c8237.88,3854.11) P4_C6.2@8186.26,3802.5 ; 6680,3964.69 cw(c6655.86,3964.69) 6672.93,3947.62 ccw(c6655.86,3964.69) 6680,3964.69 ; 6680,3964.69 ccw(c6704.14,3964.69) 6687.07,3947.62 cw(c6704.14,3964.69) 6680,3964.69
  Bottom Layer w10: v1(6680,3940.55) v1(8155,3940.55) ; v1@6687.78,3932.77 cw(c6706.56,3913.99) 6706.56,3940.55 cw(c6706.56,3967.11) v1@6687.78,3948.33 ; v1@8147.22,3932.77 ccw(c8128.44,3913.99) 8128.44,3940.55 ccw(c8128.44,3967.11) v1@8147.22,3948.33
TDO_4_C6_1: ISP_4_C5&6.8 S_4_C6.15 | length 2246.3
  Top Layer w10: v1@6652.22,4018.33 ccw(c6633.44,4037.11) 6660,4037.11 ccw(c6686.56,4037.11) v1@6667.78,4018.33 ; v1(6660,4010.55) 6660,4075.55 6674.45,4090 ISP_4_C5&6.8@6689.45,4090 ; v1@7447.22,4002.77 cw(c7428.44,3983.99) 7455,3983.99 cw(c7481.56,3983.99) v1@7462.78,4002.77 ; v1(7455,4010.55) 7455,3300.55 7530.55,3225 7680,3225 7708.82,3253.82 S_4_C6.15@7708.82,3389.06
  Bottom Layer w10: v1(6660,4010.55) v1(7455,4010.55) ; v1@6667.78,4002.77 cw(c6686.56,3983.99) 6686.56,4010.55 cw(c6686.56,4037.11) v1@6667.78,4018.33 ; 7428.44,4010.55 cw(c7428.44,3983.99) 7447.22,4002.77 ccw(c7428.44,3983.99) 7428.44,4010.55 ; 7428.44,4010.55 ccw(c7428.44,4037.11) 7447.22,4018.33 cw(c7428.44,4037.11) 7428.44,4010.55
TMS_1_C1: P1_C1.5 S_1_C1.11 | length 848.8
  Top Layer w10: S_1_C1.11@1797.95,6990.24 1715.32,6990.24 1700,7005.55 1700,7140.55 1765,7205.55 1880,7205.55 1968.5,7294.06 P1_C1.5@1968.5,7322.83 ; 1909.72,7235.27 ccw(c1828.16,7316.83) P1_C1.5@1943.5,7316.83 ; 1926.79,7252.34 ccw(c1862.3,7316.83) P1_C1.5@1953.5,7316.83 ; 1943.86,7269.41 ccw(c1896.44,7316.83) P1_C1.5@1963.5,7316.83 ; 1960.93,7286.48 ccw(c1930.58,7316.83) P1_C1.5@1973.5,7316.83
TMS_1_C2: P1_C2.5 S_1_C2.11 | length 796.8
  Top Layer w10: S_1_C2.11@2917.95,6990.24 2844.76,6990.24 2825,7010 2825,7205 2845,7225 3100,7225 3149.61,7274.61 ; P1_C2.5@3149.61,7322.83 3149.61,7274.61 ; 3149.61,7274.61 cw(c3172.77,7274.61) 3161.63,7294.92 ccw(c3172.77,7274.61) 3149.61,7274.61 ; 3149.61,7274.61 ccw(c3126.45,7274.61) 3137.58,7294.92 cw(c3126.45,7274.61) 3149.61,7274.61
TMS_1_C3: P1_C3.5 S_1_C3.11 | length 802.5
  Top Layer w10: S_1_C3.11@4157.95,6990.24 4075.32,6990.24 4060,7005.55 4060,7140.55 4125,7205.55 4240,7205.55 4328.5,7294.06 P1_C3.5@4328.5,7322.83 ; 4273.48,7239.03 ccw(c4195.68,7316.83) P1_C3.5@4305.71,7316.83 ; 4290.55,7256.11 ccw(c4229.83,7316.83) P1_C3.5@4315.71,7316.83 ; 4307.63,7273.18 ccw(c4263.97,7316.83) P1_C3.5@4325.71,7316.83